# Altium PCB UNT 3-ALL.pcbdoc (part 2 of 4) (continued)
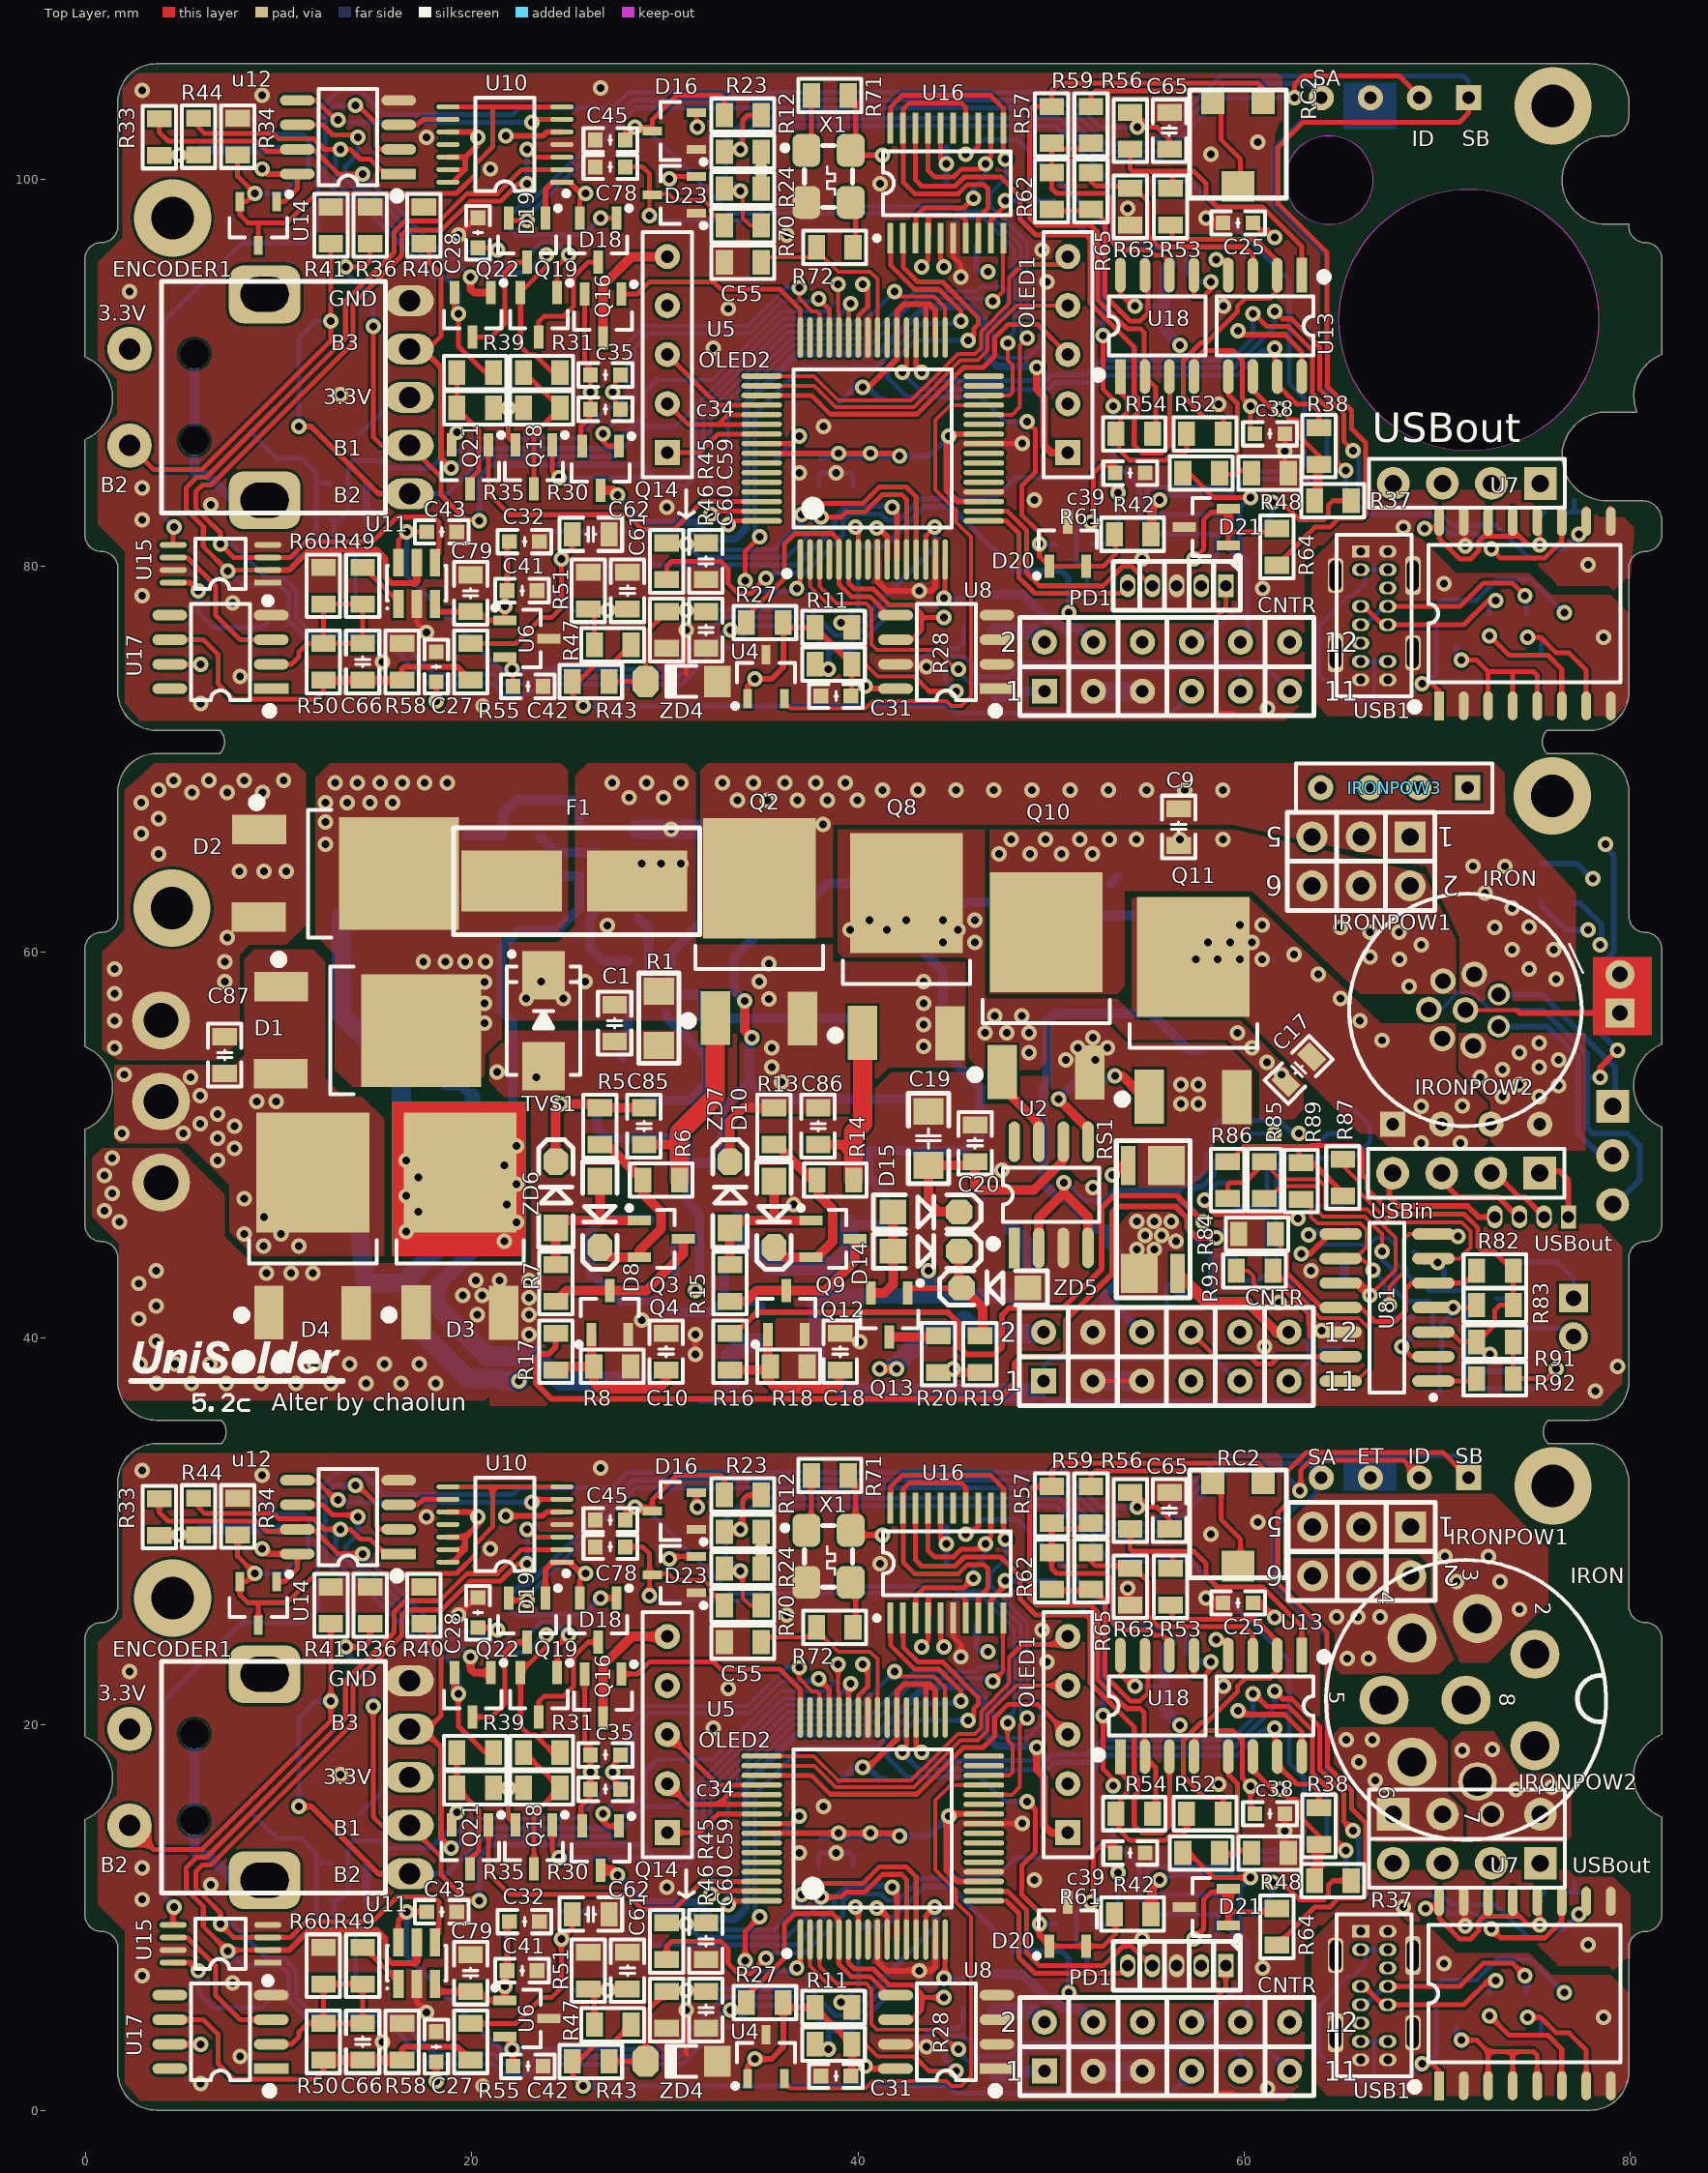
[diagram p0: Top Layer view]
## Nets (pads, with @x,y where several pads share a name; then routed paths per layer and width w, separated by ;. In a path a pad name is that pad's centre, name@x,y a point inside that pad or via, vN(x,y) a via of type N, cw(c..) or ccw(c..) an arc to the next point about the centre after c; other vN are vias at no path point) (continued)
  Top Layer w0.254: Q18.1@24.173,14.798 24.173,13.419 v1(24.511,13.081) ; Q18.1@24.173,86.278 24.173,84.899 v1(24.511,84.561)
  Bottom Layer w0.2: 31.977,16.199 31.977,16.238 36.395,20.656 39.833,20.656 v1(41.91,22.733) ; 31.977,87.679 31.977,87.718 36.395,92.136 39.833,92.136 v1(41.91,94.213)
  Bottom Layer w0.254: v1(24.511,13.081) 28.884,13.081 29.301,12.664 31.079,12.664 31.977,13.562 31.977,16.199 31.996,16.219 ; v1(24.511,84.561) 28.884,84.561 29.301,84.144 31.079,84.144 31.977,85.042 31.977,87.679 31.996,87.699
CHPOL: U5.63 U16.11 U16.20 | length 105.4
  Top Layer w0.254: v1(32.385,11.176) 32.581,11.372 34.998,11.372 U5.63@35.015,11.355 ; v1(32.385,82.656) 32.581,82.852 34.998,82.852 U5.63@35.015,82.835 ; U16.20@41.693,31.965 41.693,32.295 42.304,32.906 46.85,32.906 47.543,32.213 47.543,29.673 v1(47.625,29.591) ; U16.20@41.693,103.445 41.693,103.775 42.304,104.386 46.85,104.386 47.543,103.693 47.543,101.153 v1(47.625,101.071)
  Bottom Layer w0.2: v1(32.385,11.176) 32.385,16.165 36.536,20.316 40.525,20.316 42.938,22.729 46.097,22.729 46.355,22.987 47.498,22.987 47.752,22.733 47.752,21.717 46.99,20.955 46.99,19.685 47.371,19.304 48.768,19.304 49.53,20.066 49.53,20.701 48.772,21.459 48.772,25.269 46.863,27.178 46.863,27.813 47.625,28.575 v1(47.625,29.591) ; v1(32.385,82.656) 32.385,87.645 36.536,91.796 40.525,91.796 42.938,94.209 46.097,94.209 46.355,94.467 47.498,94.467 47.752,94.213 47.752,93.197 46.99,92.435 46.99,91.165 47.371,90.784 48.768,90.784 49.53,91.546 49.53,92.181 48.772,92.939 48.772,96.749 46.863,98.658 46.863,99.293 47.625,100.055 v1(47.625,101.071)
CHSEL1: U5.1 U16.1 | length 64.3
  Top Layer w0.254: v1(34.163,7.747) 34.163,9.271 v1(34.925,10.033) ; v1(34.163,79.227) 34.163,80.751 v1(34.925,81.513) ; v1(36.83,7.366) 37.017,7.553 U5.1@37.017,8.853 ; v1(36.83,78.846) 37.017,79.033 U5.1@37.017,80.333 ; U16.1@41.693,24.765 41.693,24.093 42.94,22.846 44.21,22.846 45.339,21.717 v1(45.339,21.209) ; U16.1@41.693,96.245 41.693,95.573 42.94,94.326 44.21,94.326 45.339,93.197 v1(45.339,92.689)
  Bottom Layer w0.254: v1(34.163,7.747) 34.703,7.207 36.671,7.207 v1(36.83,7.366) ; v1(34.163,79.227) 34.703,78.687 36.671,78.687 v1(36.83,78.846) ; v1(34.925,10.033) 34.671,10.287 34.671,16.383 37.084,18.796 40.972,18.796 43.258,21.082 45.339,21.082 v1(45.339,21.209) ; v1(34.925,81.513) 34.671,81.767 34.671,87.863 37.084,90.276 40.972,90.276 43.258,92.562 45.339,92.562 v1(45.339,92.689)
CHSEL2: U5.64 U16.10 | length 54.8
  Top Layer w0.2: v1(46.99,22.225) 47.502,22.737 47.502,25.467 U16.10@47.535,25.5 ; v1(46.99,93.705) 47.502,94.217 47.502,96.947 U16.10@47.535,96.98
  Top Layer w0.254: v1(33.274,10.668) 33.461,10.855 U5.64@35.015,10.855 ; v1(33.274,82.148) 33.461,82.335 U5.64@35.015,82.335
  Bottom Layer w0.2: v1(33.274,10.668) 33.274,16.573 36.677,19.976 40.666,19.976 43.079,22.389 46.826,22.389 v1(46.99,22.225) ; v1(33.274,82.148) 33.274,88.053 36.677,91.456 40.666,91.456 43.079,93.869 46.826,93.869 v1(46.99,93.705)
D+: R26.2 USB1.4 USB1.11 USBin.3 USBout.3 | length 42.6
  Top Layer w0.254: USB1.11@67.44,6.421 71.186,6.421 72.385,7.62 73.914,7.62 v1(74.549,6.985) ; USB1.11@67.44,77.901 71.186,77.901 72.385,79.1 73.914,79.1 v1(74.549,78.465)
  Top Layer w0.3: USBin.3@70.068,48.644 70.068,48.321 71.089,47.3 73.168,47.3 74.183,46.285 USBout.3@74.263,46.285
  Mid Layer 1 w0.254: USBout.3@70.1,12.9 70.45,12.9 73.481,9.869 73.481,9.122 73.478,9.119 73.478,8.056 v1(74.549,6.985) ; USBout.3@70.1,84.38 70.45,84.38 73.481,81.349 73.481,80.602 73.478,80.599 73.478,79.536 v1(74.549,78.465)
  Bottom Layer w0.254: USB1.4@66.04,5.471 66.304,5.471 67.254,6.421 USB1.11@67.44,6.421 ; USB1.4@66.04,76.951 66.304,76.951 67.254,77.901 USB1.11@67.44,77.901 ; v1(74.549,6.985) 74.625,6.909 R26.2@74.625,6.03 ; v1(74.549,78.465) 74.625,78.389 R26.2@74.625,77.51
D-: R25.2 USB1.3 USB1.10 USBin.2 USBout.2 | length 41.5
  Top Layer w0.254: USB1.3@66.04,6.421 66.223,6.421 67.173,5.471 USB1.10@67.44,5.471 71.384,5.471 72.644,6.731 v1(73.025,6.731) ; USB1.3@66.04,77.901 66.223,77.901 67.173,76.951 USB1.10@67.44,76.951 71.384,76.951 72.644,78.211 v1(73.025,78.211)
  Top Layer w0.3: USBin.2@72.608,48.644 72.92,48.644 74.263,47.301 74.517,47.301 USBout.2@75.533,46.285
  Mid Layer 1 w0.254: USBout.2@72.64,12.9 72.64,11.267 73.875,10.033 73.875,8.959 73.872,8.956 75.4,7.427 75.4,6.7 75.018,6.318 73.438,6.318 v1(73.025,6.731) ; USBout.2@72.64,84.38 72.64,82.747 73.875,81.513 73.875,80.439 73.872,80.436 75.4,78.907 75.4,78.18 75.018,77.798 73.438,77.798 v1(73.025,78.211)
  Bottom Layer w0.254: R25.2@72.72,6.03 72.72,6.426 v1(73.025,6.731) ; R25.2@72.72,77.51 72.72,77.906 v1(73.025,78.211)
DVDD: C2.2 C3.2 C4.1 c34.2 c35.2 c88.2 C91.2 CNTR.2 L1.2 L4.1 Q14.2 Q16.2 R3.2 R82.1 R83.1 R86.2 R87.1 R89.1 R91.2 U81.3 | length 187.2
  Top Layer w0.2: R89.1@63.468,49.092 R89.1@63.554,49.092
  Top Layer w0.254: Q14.2@25.72,14.732 25.654,14.798 25.654,15.748 26.147,16.241 c34.2@26.147,16.637 v1(26.147,17.526) c35.2@26.147,18.415 26.147,18.75 25.847,19.05 Q16.2@25.847,22.606 ; Q14.2@25.72,86.212 25.654,86.278 25.654,87.228 26.147,87.721 c34.2@26.147,88.117 v1(26.147,89.006) c35.2@26.147,89.895 26.147,90.23 25.847,90.53 Q16.2@25.847,94.086 ; R86.2@59.658,49.013 59.658,49.587 59.997,49.926 62.833,49.926 ; R89.1@62.96,49.092 62.833,49.218 62.833,49.926 ; U81.3@69.424,40.316 U81.3@69.805,40.316 70.707,40.316 71.215,39.808 R91.2@72.043,39.808 72.104,39.808 72.993,40.697 72.993,41.459 73.247,41.713 R83.1@73.943,41.713 R82.1@73.943,43.491 72.933,44.501 72.933,44.507 72.358,44.507 72.115,44.75 72.115,45.706 71.398,46.423 67.673,46.423 66.38,47.716 66.38,48.199 66.124,48.455 66.124,49.732 65.868,49.988 63.488,49.988 63.426,49.926 62.833,49.926
  Top Layer w0.3: v1@41.999,38.405 v1(42.005,38.411) ; R89.1@62.96,49.092 R89.1@63.468,49.092 ; R89.1@63.554,49.092 65.246,47.399 R87.1@65.246,47.367 ; R91.2@72.043,39.808 72.678,39.173 v1(72.739,39.173)
  Top Layer w0.5: v1(41.116,38.405) v1@41.999,38.405
  Mid Layer 1 w0.8: v1(26.147,17.526) 26.147,16.046 25.857,15.756 25.857,14.978 26.147,14.688 26.147,12.275 27.17,11.252 27.864,11.252 32.639,6.477 34.544,6.477 36.449,4.572 CNTR.2@49.657,4.572 ; v1(26.147,89.006) 26.147,87.526 25.857,87.236 25.857,86.458 26.147,86.168 26.147,83.755 27.17,82.732 27.864,82.732 32.639,77.957 34.544,77.957 36.449,76.052 CNTR.2@49.657,76.052
  Mid Layer 1 w1: v1(22.447,37.776) 23.082,37.776 23.209,37.903 41.116,37.903
  Bottom Layer w0.8: c88.2@47.117,5.146 49.083,5.146 CNTR.2@49.657,4.572 ; c88.2@47.117,76.626 49.083,76.626 CNTR.2@49.657,76.052
  Bottom Layer w1: C2.2@10.763,46.605 13.491,46.605 14.11,45.986 14.44,43.277 14.491,42.856 16.478,42.856 ; C3.2@13.252,61.798 C4.1@13.252,58.921 13.252,56.75 16.351,53.651 16.351,51.746 16.92,51.177 R3.2@18.637,51.177 18.637,45.015 16.859,43.237 16.859,40.824 19.78,37.903 21.431,37.903 21.558,37.776 v1(22.447,37.776) ; v1@41.878,38.538 43.783,40.443 L4.1@45.434,40.443 ; L4.1@45.51,40.951 46.211,40.25 C91.2@47.72,40.25 CNTR.2@49.625,40.25
EARTH: EARTH.1 EARTH.2 IRON.8 IRONPOW3.3 | length 58.4
  Top Layer w0.162: EARTH.1@78.975,56.347 EARTH.1@79.47,56.842
  Top Layer w0.2: IRON.8@71.468,57.002 71.488,56.982 74.136,56.982
  Top Layer w0.3: 74.136,56.982 74.276,56.842 EARTH.1@79.47,56.842
  Mid Layer 1 w0.3: IRONPOW3.3@66.511,68.51 67.911,69.91 72.863,69.91 73.501,69.272 73.501,67.113 75.141,65.473 77.449,65.473 78.327,66.351 79.092,66.351 79.724,65.719 79.724,61.144 79.731,61.137 79.731,59.103 EARTH.2@79.47,58.842 ; IRONPOW3.3@66.543,32.766 67.634,32.766 68.574,31.826 70.231,31.826 70.671,31.386 72.064,31.386 77.1,26.35 77.1,22.7 76.19,21.79 74.418,21.79 73.886,21.258 IRON.8@71.5,21.258 ; EARTH.2@79.343,58.842 79.343,56.969 EARTH.1@79.47,56.842
GND: 24VAC.1 C1.1 C2.1 C3.1 C4.2 C6.1 C7.1 C8.2 C10.1 C11.2 C12.1 C13.2 C14.2 C15.2 C16.2 C18.1 C19.1 C20.1 C21.1 C22.2 C23.2 C24.2 C25.2 C26.2 C27.2 C28.2 C29.2 C30.2 C31.2 C32.2 C33.2 c36.2 c37.2 c38.2 c39.2 C40.1 C41.2 C42.2 C43.2 C44.2 C45.2 C46.2 C47.2 C48.1 C49.1 C50.1 C51.1 C52.1 C55.2 C59.2 C60.2 C61.1 C62.2 C65.2 C78.2 C79.1 C80.1 C81.1 C82.1 C83.1 C84.2 C91.1 C92.1 C93.1 C95.1 C96.1 CNTR.3 CNTR.4@52.165,40.316 CNTR.5 D3.1 D3.3 D4.1 D4.3 D16.1 D17.1 D20.3 D21.3 D23.1 D81.1 D82.1 ENCODER1.9 IC2.3 IC2.6 IC2.7 PD1.3 Q4.2 Q6.1 Q6.3 Q7.1 Q7.3 Q12.2 Q20.2 R1.1 R4.1 R8.1 R18.1 R21.1 R22.1 R34.1 R36.1 R40.1 R41.1 R46.2 R48.2 R51.1 R58.2 R60.2 R63.1 R84.2 R90.2 RGND1.1 RS1.1 TVS1.1 U1.2 U1.3 U1.6 U2.3 U4.3 U5.9 U5.15 U5.20 U5.25 U5.41 U6.3 U7.9 U7.15 U8.1 U8.2 U8.3 U8.4 U8.7 U10.4 U11.2 u12.4 U15.1 U15.4 U15.7 U16.6 U17.4 U81.12 X1.2 ZD2.1 ZD3.1 ZD4.1 ZD5.1 | length 96.7
  Top Layer w0.2: CNTR.3@52.165,37.776 CNTR.5@54.705,37.776
  Top Layer w0.254: U11.2@17.145,6.545 17.145,5.588 v1(17.653,5.08) ; U11.2@17.145,78.025 17.145,77.068 v1(17.653,76.56) ; v1(19.304,25.654) 20.208,26.558 C28.2@20.32,26.558 ; v1(19.304,97.134) 20.208,98.038 C28.2@20.32,98.038 ; 31.115,2.921 v1(31.115,5.207) ; 31.115,74.401 v1(31.115,76.687) ; U5.9@41.017,8.853 U5.9@41.017,9.467 ; U5.9@41.017,80.333 U5.9@41.017,80.947 ; U8.7@41.952,3.429 43.434,3.429 v1(43.561,3.302) ; U8.7@41.952,74.909 43.434,74.909 v1(43.561,74.782) ; U16.6@44.943,24.765 44.943,24.526 45.339,24.13 v1(45.339,23.495) ; U16.6@44.943,96.245 44.943,96.006 45.339,95.61 v1(45.339,94.975) ; U5.25@46.519,14.855 48.51,14.855 v1(48.514,14.859) ; U5.25@46.519,86.335 48.51,86.335 v1(48.514,86.339) ; v1(53.975,27.051) 53.975,26.304 R63.1@54.102,26.177 ; v1(53.975,98.531) 53.975,97.784 R63.1@54.102,97.657 ; 58.547,0.889 59.416,0.889 ; 58.547,72.369 59.416,72.369 ; R48.2@62.118,13.508 c38.2@62.118,15.367 ; R48.2@62.118,84.988 c38.2@62.118,86.847 ; U7.15@71.374,10.541 U7.15@71.374,11.506 ; U7.15@71.374,82.021 U7.15@71.374,82.986 ; v1(71.45,9.55) U7.15@71.45,10.952 ; v1(71.45,81.03) U7.15@71.45,82.432 ; U7.9@78.955,11.506 U7.9@78.994,11.506 ; U7.9@78.955,82.986 U7.9@78.994,82.986
  Top Layer w0.3: C79.1@19.698,7.821 C79.1@19.939,8.062 ; C79.1@19.698,79.301 C79.1@19.939,79.542 ; v1(31.591,39.173) v1(31.591,40.189) ; U5.9@41.017,8.853 41.017,7.699 41.477,7.239 v1(43.18,7.239) 43.815,7.239 44.017,7.441 U5.15@44.017,8.853 ; U5.9@41.017,80.333 41.017,79.179 41.477,78.719 v1(43.18,78.719) 43.815,78.719 44.017,78.921 U5.15@44.017,80.333
  Top Layer w0.5: v1(58.039,26.543) 58.293,26.289 C25.2@58.913,26.289 ; v1(58.039,98.023) 58.293,97.769 C25.2@58.913,97.769
  Mid Layer 2 w0.254: 56.388,15.367 59.563,15.367 60.325,16.129 ; 56.388,86.847 59.563,86.847 60.325,87.609
  Bottom Layer w0.2: 24.479,50.349 24.479,51.188 ; v1(64.028,40.386) 64.366,40.386 C21.1@64.992,41.012 ; C95.1@68.721,41.063 C95.1@68.802,41.144
  Bottom Layer w0.254: C50.1@37.973,12.664 37.973,13.208 38.1,13.335 v1(38.862,13.335) 39.588,13.335 39.751,13.172 C51.1@39.751,12.664 ; C50.1@37.973,84.144 37.973,84.688 38.1,84.815 v1(38.862,84.815) 39.588,84.815 39.751,84.652 C51.1@39.751,84.144 ; C47.2@43.053,3.429 43.815,4.191 44.45,4.191 44.495,4.236 45.145,4.236 45.466,4.557 C44.2@45.466,5.319 ; C47.2@43.053,74.909 43.815,75.671 44.45,75.671 44.495,75.716 45.145,75.716 45.466,76.037 C44.2@45.466,76.799 ; 56.007,6.858 56.007,7.366 ; 56.007,78.338 56.007,78.846 ; 67.786,41.063 C95.1@68.721,41.063 ; 76.378,11.303 C46.2@77.104,11.303 ; 76.403,82.783 C46.2@77.104,82.783 ; 77.104,11.872 C46.2@77.104,11.303 ; 77.104,83.394 C46.2@77.104,82.783 ; 77.71,11.303 C46.2@77.104,11.303 ; 77.771,82.783 C46.2@77.104,82.783
  Bottom Layer w0.3: 31.845,36.76 33.877,36.76
  Bottom Layer w0.5: 28.232,63.369 28.278,63.415 29.044,63.415 29.051,63.422 29.686,63.422 ; 29.633,63.369 29.686,63.422 ; 29.923,63.659 29.686,63.422 ; U1.6@30.524,43.322 30.524,44.837 ; C8.2@53.101,63.557 C8.2@53.482,63.938 ; IC2.7@65.202,42.983 IC2.6@65.202,44.253
  Bottom Layer w1: CNTR.3@52.165,37.776 CNTR.5@54.705,37.776 ; CNTR.3@52.197,2.032 CNTR.5@54.737,2.032 ; CNTR.3@52.197,73.512 CNTR.5@54.737,73.512
  other v1: 61.214,1.143 20.574,1.27 5.969,1.397 8.001,2.794 15.367,3.556 7.62,6.604 2.921,6.985 60.96,7.366 77.807,8.59 54.737,8.89 68.25,10.523 2.921,10.922 30.099,11.557 6.477,11.684 49.149,11.938 2.921,12.573 36.957,13.335 62.103,14.478 38.227,15.748 58.674,16.891 13.208,17.399 32.512,19.812 33.274,21.844 58.928,21.971 2.286,22.733 49.784,23.241 49.53,24.892 36.322,25.654 41.148,28.321 20.955,29.083 58.293,29.845 60.706,30.48 17.653,30.734 9.144,32.893 2.921,33.147 26.67,33.274 78.2,37.268 3.676,37.649 5.483,37.649 7.29,37.649 9.096,37.649 10.903,37.649 12.709,37.649 14.516,37.649 16.322,37.649 18.129,37.649 79.343,38.538 2.832,38.665 4.638,38.665 6.445,38.665 8.252,38.665 10.058,38.665 11.865,38.665 13.671,38.665 15.478,38.665 17.284,38.665 61.055,39.554 40.1,39.808 3.651,39.833 22.955,40.189 28.797,40.951 2.762,41.002 20.288,41.205 22.955,41.205 3.651,41.662 61.817,41.84 22.955,42.094 19.526,42.221 20.542,42.221 2.762,42.831 20.212,42.983 21.431,42.983 22.955,42.983 9.366,43.364 10.636,43.364 11.779,43.364 3.651,43.491 63.468,43.491 54.451,44.602 55.34,44.602 56.483,45.015 54.868,45.332 55.721,45.332 1.746,46.031 54.451,46.052 55.34,46.052 56.229,46.052 0.984,46.59 36.671,46.92 1.365,47.504 52.165,47.809 0.984,48.419 47.466,48.698 1.365,49.333 23.336,53.524 21.304,53.778 61.214,72.623 20.574,72.75 5.969,72.877 8.001,74.274 15.367,75.036 7.62,78.084 2.921,78.465 60.96,78.846 77.807,80.07 54.737,80.37 68.25,82.003 2.921,82.402 30.099,83.037 6.477,83.164 49.149,83.418 2.921,84.053 36.957,84.815 62.103,85.958 38.227,87.228 58.674,88.371 13.208,88.879 32.512,91.292 33.274,93.324 58.928,93.451 2.286,94.213 49.784,94.721 49.53,96.372 36.322,97.134 41.148,99.801 20.955,100.563 58.293,101.325 60.706,101.96 17.653,102.214 9.144,104.373 2.921,104.627 26.67,104.754
HEATER1: IC2.10 R17.2 | length 48.5
  Top Layer w0.3: R17.2@24.352,40.25 24.352,39.554 23.996,39.198 23.55,39.198 23.313,38.962 23.313,37.666 24.134,36.845 47.297,36.845 48.101,37.649 48.101,38.665 48.482,39.046 50.514,39.046 50.768,39.3 50.768,40.93 53.169,43.331 53.169,46.527 53.477,46.835 56.436,46.835 57.057,46.213 57.057,45.716 57.547,45.227 57.606,45.227 57.626,45.207 v1(58.547,45.207)
  Bottom Layer w0.3: v1(58.547,45.207) 58.863,45.523 IC2.10@59.575,45.523
HEATER2: IC2.13 R16.2 | length 38.6
  Top Layer w0.3: R16.2@33.369,40.25 33.66,40.25 34.742,41.332 44.672,41.332 45.203,40.801 45.203,39.592 45.622,39.173 47.085,39.173 47.466,39.554 47.466,41.205 47.824,41.563 50.618,41.563 52.615,43.56 52.615,46.735 53.269,47.389 56.522,47.389 v1(57.88,46.031)
  Bottom Layer w0.3: v1(57.88,46.031) 57.88,46.127 57.194,46.813 57.194,47.504 57.536,47.846 57.675,47.846 57.823,47.846 58.434,48.457 58.434,49.125 58.642,49.333 IC2.13@59.531,49.333
HOLDER: R81.2 SLTIP.2 | length 3
  Bottom Layer w0.254: R81.2@74.263,40.504 76.631,40.504 SLTIP.2@77.057,40.078
HSEL: CNTR.9 IC2.5 IC2.9 R22.2 U2.2 U2.4 U5.3 | length 99.7
  Top Layer w0.2: U5.3@38.017,8.853 38.017,7.449 38.898,6.568 40.422,6.568 40.709,6.281 40.709,4.461 40.987,4.184 44.076,4.184 45.085,3.175 v1(45.212,3.175) ; U5.3@38.017,80.333 38.017,78.929 38.898,78.048 40.422,78.048 40.709,77.761 40.709,75.941 40.987,75.664 44.076,75.664 45.085,74.655 v1(45.212,74.655)
  Top Layer w0.5: U2.2@49.371,44.678 49.371,46.235 50.662,47.526 50.662,47.545 ; v1(50.662,48.059) 50.662,47.545 ; U2.4@51.911,44.678 51.911,46.297 50.672,47.536 50.662,47.545
  Mid Layer 1 w0.3: v1(62.833,50.603) 62.833,50.222 62.579,49.968 62.579,47.555 63.849,46.285 63.849,45.904 63.341,45.396 v1(63.341,45.354)
  Bottom Layer w0.2: v1(45.212,3.175) 45.212,3.048 45.845,2.415 48.008,2.415 48.731,3.138 59.6,3.138 59.817,2.921 CNTR.9@59.817,2.032 ; v1(45.212,74.655) 45.212,74.528 45.845,73.895 48.008,73.895 48.731,74.618 59.6,74.618 59.817,74.401 CNTR.9@59.817,73.512
  Bottom Layer w0.254: v1(50.662,48.059) 50.792,48.059 51.719,47.132 52.758,47.132 53.308,47.682 56.663,47.682 ; IC2.9@59.575,44.253 58.388,44.253 ; CNTR.9@59.785,37.776 59.658,37.776 58.426,39.008 58.426,42.546 58.271,42.701 58.271,44.136 58.388,44.253 ; v1(62.833,50.603) 62.52,50.603 61.839,51.284 60.166,51.284 59.47,51.98 58.368,50.877 58.368,49.821 58.007,49.46 58.007,48.634 57.646,48.273 57.498,48.273 57.254,48.273 56.663,47.682 ; IC2.5@65.202,45.523 IC2.5@65.348,45.669 ; 56.663,47.682 56.663,46.593 57.118,46.138 57.118,45.523 58.388,44.253
  Bottom Layer w0.3: v1(63.341,45.354) 63.51,45.523 IC2.5@65.202,45.523
ID: IRON.4@69.568,57.025 IRON.5@67.25,21.258 IRONPOW3.2 R24.1 R70.2 Rid1.1 Rid2.2 sensor.3 | length 168.3
  Top Layer w0.2: v1@34.036,27.686 34.036,26.543 34.417,26.162 R70.2@34.986,26.162 ; v1@34.036,99.166 34.036,98.023 34.417,97.642 R70.2@34.986,97.642
  Top Layer w0.254: v1(62.611,104.246) 62.611,104.941 63.059,105.389 68.041,105.389 IRONPOW3.2@69.35,104.08 ; v1(62.9,32.1) 62.95,32.1 62.95,33.183 63.45,33.683 68.267,33.683 IRONPOW3.2@69.35,32.6
  Top Layer w0.3: v1(78.454,53.524) 78.454,54.032 v1(79.343,54.921)
  Mid Layer 1 w0.3: IRON.5@67.25,21.258 68.792,21.258 70.6,19.45 73,19.45 74.9,21.35 76.5,21.35 77.7,22.55 77.7,26.428 72.302,31.826 70.853,31.826 69.913,32.766 IRONPOW3.2@69.083,32.766 ; IRONPOW3.2@69.051,68.51 70.001,69.46 72.677,69.46 73.051,69.086 73.051,66.927 74.955,65.023 78.142,65.023 v1(78.708,65.589)
  Bottom Layer w0.2: IRON.4@69.568,57.025 70.204,57.025 71.091,57.912 71.845,57.912 72.775,56.982 74.009,56.982 ; sensor.3@78.454,47.174 sensor.3@79.216,47.174
  Bottom Layer w0.254: v1(33.909,27.94) 33.147,28.702 33.147,30.607 34.264,31.724 50.378,31.724 52.511,29.591 55.597,29.591 59.127,33.121 61.929,33.121 62.9,32.15 v1(62.9,32.1) ; v1(33.909,99.42) 33.147,100.182 33.147,102.087 34.264,103.204 50.378,103.204 52.511,101.071 55.597,101.071 58.772,104.246 v1(62.611,104.246)
  Bottom Layer w0.3: 74.009,56.982 75.505,56.982 77.761,54.726 77.761,53.524 ; v1(78.454,53.524) 77.761,53.524 ; v1(78.708,65.589) 78.708,65.462 79.15,65.02 Rid1.1@79.15,64.573 79.15,62.541 79.15,60.676 79.154,60.672 79.154,60.092 79.15,60.088 79.15,60.007 78.2,59.057 78.2,56.064 v1(79.343,54.921) ; sensor.3@79.216,46.92 80.486,48.19 80.486,49.968 79.844,50.61 78.066,50.61 77.761,50.915 77.761,53.524
IDIN: C78.1 D23.3 R70.1 U5.30 | length 74.9
  Top Layer w0.2: v1(29.21,26.67) 29.21,27.65 29.355,27.795 30.2,27.795 30.511,27.484 32.005,27.484 32.363,27.126 32.363,26.885 R70.1@33.086,26.162 ; v1(29.21,98.15) 29.21,99.13 29.355,99.275 30.2,99.275 30.511,98.964 32.005,98.964 32.363,98.606 32.363,98.365 R70.1@33.086,97.642 ; U5.30@46.519,17.355 47.835,17.355 48.006,17.526 48.006,18.923 47.752,19.177 v1(47.752,20.066) ; U5.30@46.519,88.835 47.835,88.835 48.006,89.006 48.006,90.403 47.752,90.657 v1(47.752,91.546)
  Top Layer w0.254: C78.1@27.955,29.185 28.854,29.185 29.21,28.829 D23.3@29.21,27.65 ; C78.1@27.955,100.665 28.854,100.665 29.21,100.309 D23.3@29.21,99.13
  Bottom Layer w0.2: v1(29.21,26.67) 29.464,26.416 35.052,26.416 35.429,26.793 44.735,26.793 44.98,26.548 46.504,26.548 48.092,24.96 48.092,20.66 47.752,20.32 v1(47.752,20.066) ; v1(29.21,98.15) 29.464,97.896 35.052,97.896 35.429,98.273 44.735,98.273 44.98,98.028 46.504,98.028 48.092,96.44 48.092,92.14 47.752,91.8 v1(47.752,91.546)
IN+: U16.13 U18.5 | length 41.9
  Top Layer w0.254: v1(45.593,29.845) 45.847,29.845 46.235,30.233 U16.13@46.235,31.2 ; v1(45.593,101.325) 45.847,101.325 46.235,101.713 U16.13@46.235,102.68 ; U18.5@57.404,23.58 57.404,22.479 57.912,22.479 58.293,22.86 v1(58.293,23.241) ; U18.5@57.404,95.06 57.404,93.959 57.912,93.959 58.293,94.34 v1(58.293,94.721)
  Bottom Layer w0.254: v1(45.593,29.845) 45.72,29.845 46.482,30.607 48.26,30.607 53.848,25.019 56.769,25.019 57.023,24.765 57.023,23.753 57.535,23.241 v1(58.293,23.241) ; v1(45.593,101.325) 45.72,101.325 46.482,102.087 48.26,102.087 53.848,96.499 56.769,96.499 57.023,96.245 57.023,95.233 57.535,94.721 v1(58.293,94.721)
IN-: U16.18 U18.3 | length 63.2
  Top Layer w0.254: U16.18@42.985,31.2 42.985,28.516 43.307,28.194 45.036,28.194 45.512,28.67 47.403,28.67 48.387,27.686 48.387,26.494 49.216,25.665 51.805,25.665 52.018,25.452 52.018,22.15 54.313,19.855 54.313,17.365 54.496,17.181 54.496,16.474 54.313,16.29 54.313,14.775 54.711,14.377 55.755,14.377 56.007,14.629 56.145,14.767 56.145,18.319 U18.3@56.134,18.33 ; U16.18@42.985,102.68 42.985,99.996 43.307,99.674 45.036,99.674 45.512,100.15 47.403,100.15 48.387,99.166 48.387,97.974 49.216,97.145 51.805,97.145 52.018,96.932 52.018,93.63 54.313,91.335 54.313,88.845 54.496,88.661 54.496,87.954 54.313,87.77 54.313,86.255 54.711,85.857 55.755,85.857 56.007,86.109 56.145,86.247 56.145,89.799 U18.3@56.134,89.81
IND1/VDD: Q14.1 U5.45 | length 38.6
  Top Layer w0.254: v1(26.797,15.367) 26.797,14.986 27.051,14.732 Q14.1@27.62,14.732 ; v1(26.797,86.847) 26.797,86.466 27.051,86.212 Q14.1@27.62,86.212 ; v1(37.973,22.352) 38.517,21.808 U5.45@38.517,20.357 ; v1(37.973,93.832) 38.517,93.288 U5.45@38.517,91.837
  Bottom Layer w0.2: v1(26.797,15.367) 28.439,17.009 28.439,19.803 29.21,20.574 34.39,20.574 36.041,22.225 37.973,22.225 v1(37.973,22.352) ; v1(26.797,86.847) 28.439,88.489 28.439,91.283 29.21,92.054 34.39,92.054 36.041,93.705 37.973,93.705 v1(37.973,93.832)
IND3/VCC: Q16.1 U5.48 | length 23.1
  Top Layer w0.254: Q16.1@27.747,22.606 28.575,22.606 29.21,23.241 32.512,23.241 32.893,22.86 35.956,22.86 37.017,21.799 U5.48@37.017,20.357 ; Q16.1@27.747,94.086 28.575,94.086 29.21,94.721 32.512,94.721 32.893,94.34 35.956,94.34 37.017,93.279 U5.48@37.017,91.837
NAP: C45.1 D16.3 R23.1 U5.28 | length 85.1
  Top Layer w0.2: C45.1@27.955,30.582 C45.1@28.184,30.353 ; C45.1@27.955,102.062 C45.1@28.184,101.833 ; U5.28@46.519,16.355 47.978,16.355 48.392,16.769 48.392,19.944 v1(48.768,20.32) ; U5.28@46.519,87.835 47.978,87.835 48.392,88.249 48.392,91.424 v1(48.768,91.8)
  Top Layer w0.254: C45.1@27.955,30.582 27.955,31.003 28.006,31.054 D16.3@29.355,31.054 D16.3@29.355,31.242 ; C45.1@27.955,102.062 27.955,102.483 28.006,102.534 D16.3@29.355,102.534 D16.3@29.355,102.722 ; v1(28.448,31.242) D16.3@29.355,31.242 ; v1(28.448,102.722) D16.3@29.355,102.722 ; R23.1@33.086,31.663 R23.1@33.086,31.877 33.086,32.7 32.893,32.893 30.607,32.893 29.355,31.641 D16.3@29.355,31.242 ; R23.1@33.086,103.143 R23.1@33.086,103.357 33.086,104.18 32.893,104.373 30.607,104.373 29.355,103.121 D16.3@29.355,102.722
  Bottom Layer w0.2: v1(28.448,31.242) 28.956,31.242 33.442,26.756 34.911,26.756 35.288,27.133 44.876,27.133 45.121,26.888 46.645,26.888 48.432,25.101 48.432,20.656 v1(48.768,20.32) ; v1(28.448,102.722) 28.956,102.722 33.442,98.236 34.911,98.236 35.288,98.613 44.876,98.613 45.121,98.368 46.645,98.368 48.432,96.581 48.432,92.136 v1(48.768,91.8)
NAPOLD: U5.8
Net24VAC_2: 24VAC.2 C87.1 D1.1 D1.3 D4.2
  other v1: 9.214,44.761 11.042,44.761 8.223,45.396 10.128,45.396 9.239,46.285 8.223,47.225 6.826,49.206 7.715,49.841 6.826,50.349 1.873,50.603 5.048,50.603 7.715,50.984 5.937,51.111 6.826,51.619 8.858,52.254 9.874,52.254 5.937,52.559 5.429,53.524 2,53.651
Net24VAC_3: 24VAC.3 C87.2 D2.1 D2.3 D3.2
  other v1: 21.685,45.015 16.605,45.523 22.32,46.006 17.24,46.539 21.812,46.92 16.605,47.365 22.32,47.987 17.24,48.317 21.685,48.952 16.605,49.206 22.32,49.968 1.492,55.048 1.492,56.445 1.492,57.842 7.207,58.477 1.492,59.112 7.207,59.493 7.334,60.763 7.969,64.192 9.239,64.192 10.382,64.192 3.778,65.081 2.889,66.148 3.778,66.91 2.889,67.748 5.505,68.256 7.334,68.256 9.163,68.256 3.778,68.383 4.565,68.891 6.394,68.891 8.223,68.891 10.255,68.891
NetC5_1: C5.1 D7.2 L1.1 U1.8 | length 17.1
  Bottom Layer w0.5: D7.2@29.24,46.158 26.765,46.158 26.11,45.503 L1.1@26.11,43.237 26.333,43.237 27.603,41.967 29.686,41.967 30.321,41.332 32.48,41.332 33.064,41.916 ; U1.8@33.064,43.322 33.064,41.916 ; C5.1@34.969,41.647 34.7,41.916 33.064,41.916
NetC5_2: C5.2 U1.1 | length 3.3
  Bottom Layer w1: 33.369,37.649 33.369,39.046 34.07,39.747 C5.2@34.969,39.747
NetC10_2: C10.2 Q4.1 R8.2 R17.1 | length 9.2
  Top Layer w0.5: R17.1@24.352,38.35 24.54,38.538 R8.2@26.323,38.538 ; Q4.1@26.196,40.189 26.196,38.665 R8.2@26.323,38.538 ; C10.2@30.067,38.35 30.067,37.776 29.686,37.395 26.638,37.395 26.323,37.71 R8.2@26.323,38.538
NetC13_1: C13.1 D12.2 Q5.3 R10.1 | length 18.5
  Bottom Layer w0.5: D12.2@21.874,51.746 22.104,51.976 22.104,56.407 21.543,56.968 21.543,60.24 22.399,61.096 C13.1@23.412,61.096 24.398,61.096 25.571,62.27 R10.1@25.571,63.935 22.825,63.935 Q5.3@22.574,63.684
NetC14_1: C14.1 C16.1 D7.1 L2.1 Q7.2 | length 48.9
  Bottom Layer w0.5: C14.1@39.544,45.904 C16.1@41.436,45.904 41.436,47.489 40.557,48.368 Q7.2@40.557,49.714 45.561,49.714 46.323,50.476 46.323,53.016 44.418,54.921 44.418,58.985 43.339,60.065 43.339,61.843 44.075,62.579 50.73,62.579 51.403,61.906 57.118,61.906 L2.1@57.753,62.541
  Bottom Layer w1: D7.1@33.84,46.158 33.84,45.433 35.528,43.745 38.83,43.745 39.544,44.459 C14.1@39.544,45.904
NetC18_2: C18.2 Q12.1 R16.1 R18.2 | length 9.1
  Top Layer w0.5: R16.1@33.369,38.35 35.279,38.35 R18.2@35.34,38.411 ; Q12.1@35.34,40.189 R18.2@35.34,38.411 ; C18.2@39.084,38.35 39.021,38.287 39.021,37.586 38.83,37.395 35.782,37.395 35.34,37.837 R18.2@35.34,38.411
NetC40_2: C40.2 U5.56 | length 7.9
  Top Layer w0.254: U5.56@35.015,14.855 36.572,14.855 v1(36.957,15.24) ; U5.56@35.015,86.335 36.572,86.335 v1(36.957,86.72)
  Bottom Layer w0.254: C40.2@35.687,13.904 35.687,13.97 v1(36.957,15.24) ; C40.2@35.687,85.384 35.687,85.45 v1(36.957,86.72)
NetC54_2: C54.2 U7.3 U7.4 U7.5 | length 20.9
  Top Layer w0.254: v1(71.246,3.64) 72.052,3.64 72.644,3.048 ; v1(71.246,75.12) 72.052,75.12 72.644,74.528 ; U7.3@72.645,1.275 U7.3@72.645,1.275 72.644,3.048 ; U7.3@72.645,72.755 U7.3@72.645,72.755 72.644,74.528 ; U7.4@73.915,1.275 U7.4@73.915,1.275 73.914,3.048 ; U7.4@73.915,72.755 U7.4@73.915,72.755 73.914,74.528 ; U7.5@75.185,1.275 U7.5@75.185,1.275 75.184,2.854 74.99,3.048 73.914,3.048 ; U7.5@75.185,72.755 U7.5@75.185,72.755 75.184,74.334 74.99,74.528 73.914,74.528 ; 72.644,3.048 73.914,3.048 ; 72.644,74.528 73.914,74.528
  Bottom Layer w0.254: C54.2@70.993,4.303 70.993,3.893 v1(71.246,3.64) v1@71.544,3.64 ; C54.2@70.993,75.783 70.993,75.373 v1(71.246,75.12) v1@71.544,75.12
NetC57_1: C57.1 Q20.3 R32.1 | length 13.5
  Bottom Layer w0.254: Q20.3@13.97,6.696 13.97,9.398 14.582,10.01 C57.1@14.582,10.878 ; Q20.3@13.97,78.176 13.97,80.878 14.582,81.49 C57.1@14.582,82.358 ; C57.1@14.539,10.922 C57.1@14.582,10.878 ; C57.1@14.539,82.402 C57.1@14.582,82.358 ; C57.1@14.582,10.906 C57.1@14.582,10.878 ; C57.1@14.582,82.386 C57.1@14.582,82.358 ; C57.1@14.793,10.668 C57.1@14.582,10.878 ; C57.1@14.793,82.148 C57.1@14.582,82.358
  Bottom Layer w0.4: C57.1@14.539,10.922 R32.1@14.539,12.827 ; C57.1@14.539,82.402 R32.1@14.539,84.307